# Altium PCB top_1.PcbDoc (part 2 of 5)
Units mil, origin at the board's own origin, x right, y up, seen from the top; angles counter-clockwise.
Board outline 12029.02 x 5828 mil, 2 copper layers (Top Layer, Bottom Layer); 775 components, 466 nets, 1984 pads, 387 vias.
Unrouted connection lines stored in the file: 279.
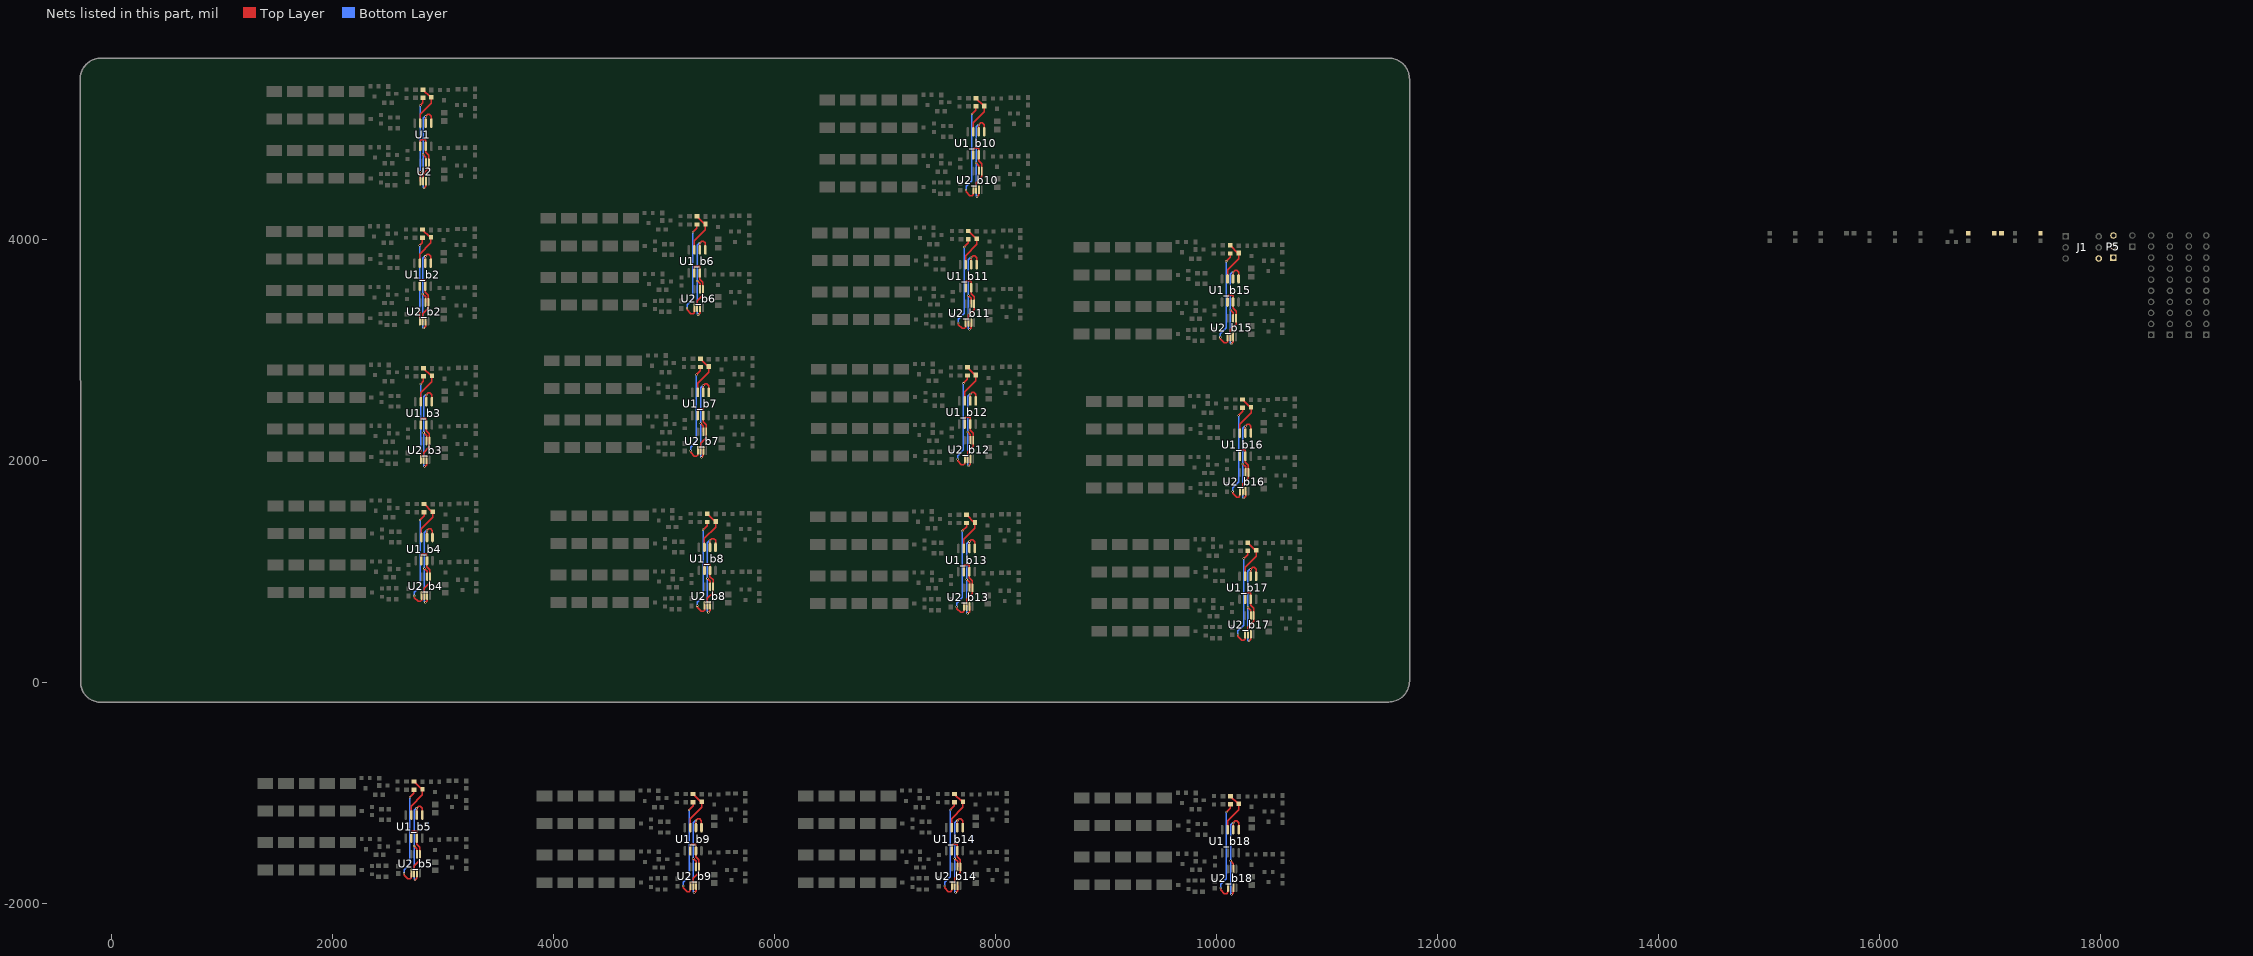
[diagram p2: the nets of this part, all layers, seen from the top]

## Components (designator, comment, footprint, x,y, rotation, side; value= is the part's Value field where it differs from the comment) (continued)
R19_b16 "Res1" 0603-1 9925,2000 r90 top (schematic designator R19)
R19_b17 "Res1" 0603-1 9972,705 r90 top (schematic designator R19)
R19_b18 "Res1" 0603-1 9815,-1589 r90 top (schematic designator R19)
R20 "Res1" 0603-1 3170,4836 r0 top
R20_b2 "Res1" 0603-1 3166,3570 r0 top (schematic designator R20)
R20_b3 "Res1" 0603-1 3175,2316 r0 top (schematic designator R20)
R20_b4 "Res1" 0603-1 3181,1087 r0 top (schematic designator R20)
R20_b5 "Res1" 0603-1 3089,-1424 r0 top (schematic designator R20)
R20_b6 "Res1" 0603-1 5650,3690 r0 top (schematic designator R20)
R20_b7 "Res1" 0603-1 5681,2400 r0 top (schematic designator R20)
R20_b8 "Res1" 0603-1 5742,998 r0 top (schematic designator R20)
R20_b9 "Res1" 0603-1 5615,-1538 r0 top (schematic designator R20)
R20_b10 "Res1" 0603-1 8174,4759 r0 top (schematic designator R20)
R20_b11 "Res1" 0603-1 8105,3557 r0 top (schematic designator R20)
R20_b12 "Res1" 0603-1 8097,2323 r0 top (schematic designator R20)
R20_b13 "Res1" 0603-1 8089,988 r0 top (schematic designator R20)
R20_b14 "Res1" 0603-1 7980,-1538 r0 top (schematic designator R20)
R20_b15 "Res1" 0603-1 10475,3427 r0 top (schematic designator R20)
R20_b16 "Res1" 0603-1 10587,2032 r0 top (schematic designator R20)
R20_b17 "Res1" 0603-1 10634,737 r0 top (schematic designator R20)
R20_b18 "Res1" 0603-1 10477,-1557 r0 top (schematic designator R20)
R21 "Res1" 0603-1 3292,4803 r90 top
R21_b2 "Res1" 0603-1 3288,3537 r90 top (schematic designator R21)
R21_b3 "Res1" 0603-1 3297,2283 r90 top (schematic designator R21)
R21_b4 "Res1" 0603-1 3303,1054 r90 top (schematic designator R21)
R21_b5 "Res1" 0603-1 3211,-1457 r90 top (schematic designator R21)
R21_b6 "Res1" 0603-1 5772,3657 r90 top (schematic designator R21)
R21_b7 "Res1" 0603-1 5803,2367 r90 top (schematic designator R21)
R21_b8 "Res1" 0603-1 5864,965 r90 top (schematic designator R21)
R21_b9 "Res1" 0603-1 5737,-1571 r90 top (schematic designator R21)
R21_b10 "Res1" 0603-1 8296,4726 r90 top (schematic designator R21)
R21_b11 "Res1" 0603-1 8227,3524 r90 top (schematic designator R21)
R21_b12 "Res1" 0603-1 8219,2290 r90 top (schematic designator R21)
R21_b13 "Res1" 0603-1 8211,955 r90 top (schematic designator R21)
R21_b14 "Res1" 0603-1 8102,-1571 r90 top (schematic designator R21)
R21_b15 "Res1" 0603-1 10597,3394 r90 top (schematic designator R21)
R21_b16 "Res1" 0603-1 10709,1999 r90 top (schematic designator R21)
R21_b17 "Res1" 0603-1 10756,704 r90 top (schematic designator R21)
R21_b18 "Res1" 0603-1 10599,-1590 r90 top (schematic designator R21)
R22 "Res1" 0603-1 2679,4560 r270 top
R22_b2 "Res1" 0603-1 2675,3294 r270 top (schematic designator R22)
R22_b3 "Res1" 0603-1 2684,2040 r270 top (schematic designator R22)
R22_b4 "Res1" 0603-1 2690,811 r270 top (schematic designator R22)
R22_b5 "Res1" 0603-1 2598,-1700 r270 top (schematic designator R22)
R22_b6 "Res1" 0603-1 5159,3414 r270 top (schematic designator R22)
R22_b7 "Res1" 0603-1 5190,2124 r270 top (schematic designator R22)
R22_b8 "Res1" 0603-1 5251,722 r270 top (schematic designator R22)
R22_b9 "Res1" 0603-1 5124,-1814 r270 top (schematic designator R22)
R22_b10 "Res1" 0603-1 7683,4483 r270 top (schematic designator R22)
R22_b11 "Res1" 0603-1 7614,3281 r270 top (schematic designator R22)
R22_b12 "Res1" 0603-1 7606,2047 r270 top (schematic designator R22)
R22_b13 "Res1" 0603-1 7598,712 r270 top (schematic designator R22)
R22_b14 "Res1" 0603-1 7489,-1814 r270 top (schematic designator R22)
R22_b15 "Res1" 0603-1 9984,3151 r270 top (schematic designator R22)
R22_b16 "Res1" 0603-1 10096,1756 r270 top (schematic designator R22)
R22_b17 "Res1" 0603-1 10143,461 r270 top (schematic designator R22)
R22_b18 "Res1" 0603-1 9986,-1833 r270 top (schematic designator R22)
R23 "Res1" 0603-1 2534,4597.46 r0 top
R23_b2 "Res1" 0603-1 2530,3331.46 r0 top (schematic designator R23)
R23_b3 "Res1" 0603-1 2539,2077.46 r0 top (schematic designator R23)
R23_b4 "Res1" 0603-1 2545,848.46 r0 top (schematic designator R23)
R23_b5 "Res1" 0603-1 2453,-1662.54 r0 top (schematic designator R23)
R23_b6 "Res1" 0603-1 5014,3451.46 r0 top (schematic designator R23)
R23_b7 "Res1" 0603-1 5045,2161.46 r0 top (schematic designator R23)
R23_b8 "Res1" 0603-1 5106,759.46 r0 top (schematic designator R23)
R23_b9 "Res1" 0603-1 4979,-1776.54 r0 top (schematic designator R23)
R23_b10 "Res1" 0603-1 7538,4520.46 r0 top (schematic designator R23)
R23_b11 "Res1" 0603-1 7469,3318.46 r0 top (schematic designator R23)
R23_b12 "Res1" 0603-1 7461,2084.46 r0 top (schematic designator R23)
R23_b13 "Res1" 0603-1 7453,749.46 r0 top (schematic designator R23)
R23_b14 "Res1" 0603-1 7344,-1776.54 r0 top (schematic designator R23)
R23_b15 "Res1" 0603-1 9839,3188.46 r0 top (schematic designator R23)
R23_b16 "Res1" 0603-1 9951,1793.46 r0 top (schematic designator R23)
R23_b17 "Res1" 0603-1 9998,498.46 r0 top (schematic designator R23)
R23_b18 "Res1" 0603-1 9841,-1795.54 r0 top (schematic designator R23)
R24 "Res1" 0603-1 3292,4606 r90 top
R24_b2 "Res1" 0603-1 3288,3340 r90 top (schematic designator R24)
R24_b3 "Res1" 0603-1 3297,2086 r90 top (schematic designator R24)
R24_b4 "Res1" 0603-1 3303,857 r90 top (schematic designator R24)
R24_b5 "Res1" 0603-1 3211,-1654 r90 top (schematic designator R24)
R24_b6 "Res1" 0603-1 5772,3460 r90 top (schematic designator R24)
R24_b7 "Res1" 0603-1 5803,2170 r90 top (schematic designator R24)
R24_b8 "Res1" 0603-1 5864,768 r90 top (schematic designator R24)
R24_b9 "Res1" 0603-1 5737,-1768 r90 top (schematic designator R24)
R24_b10 "Res1" 0603-1 8296,4529 r90 top (schematic designator R24)
R24_b11 "Res1" 0603-1 8227,3327 r90 top (schematic designator R24)
R24_b12 "Res1" 0603-1 8219,2093 r90 top (schematic designator R24)
R24_b13 "Res1" 0603-1 8211,758 r90 top (schematic designator R24)
R24_b14 "Res1" 0603-1 8102,-1768 r90 top (schematic designator R24)
R24_b15 "Res1" 0603-1 10597,3197 r90 top (schematic designator R24)
R24_b16 "Res1" 0603-1 10709,1802 r90 top (schematic designator R24)
R24_b17 "Res1" 0603-1 10756,507 r90 top (schematic designator R24)
R24_b18 "Res1" 0603-1 10599,-1787 r90 top (schematic designator R24)
R25 "Res1" 0603-1 17227,4026.46 r90 top
R26 "Res1" 0603-1 17458,4026.46 r90 top
R27 "Res1" 0603-1 16803,4026.46 r90 top
R28 "Res1" 0603-1 15009,4026.46 r90 top
R29 "Res1" 0603-1 15240,4026.46 r90 top
R30 "Res1" 0603-1 15470,4026.46 r90 top
R31 "Res1" 0603-1 15736,4061.46 r0 top
R32 "Res1" 0603-1 15911,4026.46 r90 top
R33 "Res1" 0603-1 16141,4026.46 r90 top
R34 "Res1" 0603-1 16372,4026.46 r90 top
R35 "Res1" 0603-1 2504,5240.46 r180 top
R35_b2 "Res1" 0603-1 2500,3974.46 r180 top (schematic designator R35)
R35_b3 "Res1" 0603-1 2509,2720.46 r180 top (schematic designator R35)
R35_b4 "Res1" 0603-1 2515,1491.46 r180 top (schematic designator R35)
R35_b5 "Res1" 0603-1 2423,-1019.54 r180 top (schematic designator R35)
R35_b6 "Res1" 0603-1 4984,4094.46 r180 top (schematic designator R35)
R35_b7 "Res1" 0603-1 5015,2804.46 r180 top (schematic designator R35)
R35_b8 "Res1" 0603-1 5076,1402.46 r180 top (schematic designator R35)
R35_b9 "Res1" 0603-1 4949,-1133.54 r180 top (schematic designator R35)
R35_b10 "Res1" 0603-1 7508,5163.46 r180 top (schematic designator R35)
R35_b11 "Res1" 0603-1 7439,3961.46 r180 top (schematic designator R35)
R35_b12 "Res1" 0603-1 7431,2727.46 r180 top (schematic designator R35)
R35_b13 "Res1" 0603-1 7423,1392.46 r180 top (schematic designator R35)
R35_b14 "Res1" 0603-1 7314,-1133.54 r180 top (schematic designator R35)
R35_b15 "Res1" 0603-1 9809,3831.46 r180 top (schematic designator R35)
R35_b16 "Res1" 0603-1 9921,2436.46 r180 top (schematic designator R35)
R35_b17 "Res1" 0603-1 9968,1141.46 r180 top (schematic designator R35)
R35_b18 "Res1" 0603-1 9811,-1152.54 r180 top (schematic designator R35)
R36 "Res1" 0603-1 2559,5012.46 r180 top
R36_b2 "Res1" 0603-1 2555,3746.46 r180 top (schematic designator R36)
R36_b3 "Res1" 0603-1 2564,2492.46 r180 top (schematic designator R36)
R36_b4 "Res1" 0603-1 2570,1263.46 r180 top (schematic designator R36)
R36_b5 "Res1" 0603-1 2478,-1247.54 r180 top (schematic designator R36)
R36_b6 "Res1" 0603-1 5039,3866.46 r180 top (schematic designator R36)
R36_b7 "Res1" 0603-1 5070,2576.46 r180 top (schematic designator R36)
R36_b8 "Res1" 0603-1 5131,1174.46 r180 top (schematic designator R36)
R36_b9 "Res1" 0603-1 5004,-1361.54 r180 top (schematic designator R36)
R36_b10 "Res1" 0603-1 7563,4935.46 r180 top (schematic designator R36)
R36_b11 "Res1" 0603-1 7494,3733.46 r180 top (schematic designator R36)
R36_b12 "Res1" 0603-1 7486,2499.46 r180 top (schematic designator R36)
R36_b13 "Res1" 0603-1 7478,1164.46 r180 top (schematic designator R36)
R36_b14 "Res1" 0603-1 7369,-1361.54 r180 top (schematic designator R36)
R36_b15 "Res1" 0603-1 9864,3603.46 r180 top (schematic designator R36)
R36_b16 "Res1" 0603-1 9976,2208.46 r180 top (schematic designator R36)
R36_b17 "Res1" 0603-1 10023,913.46 r180 top (schematic designator R36)
R36_b18 "Res1" 0603-1 9866,-1380.54 r180 top (schematic designator R36)
R37 "Res1" 0603-1 2509,4695.46 r180 top
R37_b2 "Res1" 0603-1 2505,3429.46 r180 top (schematic designator R37)
R37_b3 "Res1" 0603-1 2514,2175.46 r180 top (schematic designator R37)
R37_b4 "Res1" 0603-1 2520,946.46 r180 top (schematic designator R37)
R37_b5 "Res1" 0603-1 2428,-1564.54 r180 top (schematic designator R37)
R37_b6 "Res1" 0603-1 4989,3549.46 r180 top (schematic designator R37)
R37_b7 "Res1" 0603-1 5020,2259.46 r180 top (schematic designator R37)
R37_b8 "Res1" 0603-1 5081,857.46 r180 top (schematic designator R37)
R37_b9 "Res1" 0603-1 4954,-1678.54 r180 top (schematic designator R37)
R37_b10 "Res1" 0603-1 7513,4618.46 r180 top (schematic designator R37)
R37_b11 "Res1" 0603-1 7444,3416.46 r180 top (schematic designator R37)
R37_b12 "Res1" 0603-1 7436,2182.46 r180 top (schematic designator R37)
R37_b13 "Res1" 0603-1 7428,847.46 r180 top (schematic designator R37)
R37_b14 "Res1" 0603-1 7319,-1678.54 r180 top (schematic designator R37)
R37_b15 "Res1" 0603-1 9814,3286.46 r180 top (schematic designator R37)
R37_b16 "Res1" 0603-1 9926,1891.46 r180 top (schematic designator R37)
R37_b17 "Res1" 0603-1 9973,596.46 r180 top (schematic designator R37)
R37_b18 "Res1" 0603-1 9816,-1697.54 r180 top (schematic designator R37)
R38 "Res1" 0603-1 2534,4496.46 r180 top
R38_b2 "Res1" 0603-1 2530,3230.46 r180 top (schematic designator R38)
R38_b3 "Res1" 0603-1 2539,1976.46 r180 top (schematic designator R38)
R38_b4 "Res1" 0603-1 2545,747.46 r180 top (schematic designator R38)
R38_b5 "Res1" 0603-1 2453,-1763.54 r180 top (schematic designator R38)
R38_b6 "Res1" 0603-1 5014,3350.46 r180 top (schematic designator R38)
R38_b7 "Res1" 0603-1 5045,2060.46 r180 top (schematic designator R38)
R38_b8 "Res1" 0603-1 5106,658.46 r180 top (schematic designator R38)
R38_b9 "Res1" 0603-1 4979,-1877.54 r180 top (schematic designator R38)
R38_b10 "Res1" 0603-1 7538,4419.46 r180 top (schematic designator R38)
R38_b11 "Res1" 0603-1 7469,3217.46 r180 top (schematic designator R38)
R38_b12 "Res1" 0603-1 7461,1983.46 r180 top (schematic designator R38)
R38_b13 "Res1" 0603-1 7453,648.46 r180 top (schematic designator R38)
R38_b14 "Res1" 0603-1 7344,-1877.54 r180 top (schematic designator R38)
R38_b15 "Res1" 0603-1 9839,3087.46 r180 top (schematic designator R38)
R38_b16 "Res1" 0603-1 9951,1692.46 r180 top (schematic designator R38)
R38_b17 "Res1" 0603-1 9998,397.46 r180 top (schematic designator R38)
R38_b18 "Res1" 0603-1 9841,-1896.54 r180 top (schematic designator R38)
U1 "LM358" SOIC-8 2821,4952 r270 top
U1_b2 "LM358" SOIC-8 2817,3686 r270 top (schematic designator U1)
U1_b3 "LM358" SOIC-8 2826,2432 r270 top (schematic designator U1)
U1_b4 "LM358" SOIC-8 2832,1203 r270 top (schematic designator U1)
U1_b5 "LM358" SOIC-8 2740,-1308 r270 top (schematic designator U1)
U1_b6 "LM358" SOIC-8 5301,3806 r270 top (schematic designator U1)
U1_b7 "LM358" SOIC-8 5332,2516 r270 top (schematic designator U1)
U1_b8 "LM358" SOIC-8 5393,1114 r270 top (schematic designator U1)
U1_b9 "LM358" SOIC-8 5266,-1422 r270 top (schematic designator U1)
U1_b10 "LM358" SOIC-8 7825,4875 r270 top (schematic designator U1)
U1_b11 "LM358" SOIC-8 7756,3673 r270 top (schematic designator U1)
U1_b12 "LM358" SOIC-8 7748,2439 r270 top (schematic designator U1)
U1_b13 "LM358" SOIC-8 7740,1104 r270 top (schematic designator U1)
U1_b14 "LM358" SOIC-8 7631,-1422 r270 top (schematic designator U1)
U1_b15 "LM358" SOIC-8 10126,3543 r270 top (schematic designator U1)
U1_b16 "LM358" SOIC-8 10238,2148 r270 top (schematic designator U1)
U1_b17 "LM358" SOIC-8 10285,853 r270 top (schematic designator U1)
U1_b18 "LM358" SOIC-8 10128,-1441 r270 top (schematic designator U1)
U2 "INA2180" MSOP-8 2835,4616 r90 top
U2_b2 "INA2180" MSOP-8 2831,3350 r90 top (schematic designator U2)
U2_b3 "INA2180" MSOP-8 2840,2096 r90 top (schematic designator U2)
U2_b4 "INA2180" MSOP-8 2846,867 r90 top (schematic designator U2)
U2_b5 "INA2180" MSOP-8 2754,-1644 r90 top (schematic designator U2)
U2_b6 "INA2180" MSOP-8 5315,3470 r90 top (schematic designator U2)
U2_b7 "INA2180" MSOP-8 5346,2180 r90 top (schematic designator U2)
U2_b8 "INA2180" MSOP-8 5407,778 r90 top (schematic designator U2)
U2_b9 "INA2180" MSOP-8 5280,-1758 r90 top (schematic designator U2)
U2_b10 "INA2180" MSOP-8 7839,4539 r90 top (schematic designator U2)
U2_b11 "INA2180" MSOP-8 7770,3337 r90 top (schematic designator U2)
U2_b12 "INA2180" MSOP-8 7762,2103 r90 top (schematic designator U2)
U2_b13 "INA2180" MSOP-8 7754,768 r90 top (schematic designator U2)
U2_b14 "INA2180" MSOP-8 7645,-1758 r90 top (schematic designator U2)
U2_b15 "INA2180" MSOP-8 10140,3207 r90 top (schematic designator U2)
U2_b16 "INA2180" MSOP-8 10252,1812 r90 top (schematic designator U2)
U2_b17 "INA2180" MSOP-8 10299,517 r90 top (schematic designator U2)
U2_b18 "INA2180" MSOP-8 10142,-1777 r90 top (schematic designator U2)

## Footprints (in the part's own frame and the unit in brackets; to place one, negate y for a bottom-side part, rotate by r counter-clockwise, add the part's x,y. Pads: shape width x height; smd on the part's side, far side on the other; paste and mask are expansions set on the pad)
0603-1 [mm] "0603带丝印"
  rect 1.1x1 smd: 1(-0.85,0) 2(0.85,0)
  silkscreen extent -1.65,-0.76 1.65,0.76, body extent -0.8,-0.4 0.8,0.4, height 0.3
2512 [mm] "贴片元件"
  rect 2.5x3.6 smd: 1(-3.175,0) 2(3.175,0)
  silkscreen extent -4.7,-2.2 4.7,2.2, body extent -3.17,-1.65 3.17,1.65, height 1.2
C-0603 [mm] "贴片电容"
  rect 1.1x1 smd: 1(-0.85,0) 2(0.85,0)
  silkscreen extent -1.73,-0.76 1.73,0.76, body extent -0.8,-0.4 0.8,0.4, height 0.3
DIP-6 [mm]
  rect 1.5x1.5 hole 0.9: 1(-3.81,2.54)
  round 1.5 hole 0.9: 2(-3.81,0) 3(-3.81,-2.54) 4(3.81,-2.54) 5(3.81,0) 6(3.81,2.54)
  silkscreen extent -3.93,-3.94 2.65,3.96, body extent -3.6,-3.94 3.6,3.88, height 5.08
HDR2X1-2.54 [mm] "2.54单排针排座"
  rect 1.5x1.5 hole 0.9: 1(0,0)
  round 1.5 hole 0.9: 2(2.54,0)
  silkscreen extent -1.27,-1.27 3.81,1.27, body extent -1.27,-1.27 3.81,1.27, height 8.54
HDR3X1-2.54 [mm] "2.54单排针排座"
  rect 1.5x1.5 hole 0.9: 1(0,0)
  round 1.5 hole 0.9: 2(2.54,0) 3(5.08,0)
  silkscreen extent -1.27,-1.27 6.35,1.27, body extent -1.27,-1.27 6.35,1.27, height 8.54
HDR10X1-2.54 [mm]
  rect 1.5x1.5 hole 0.9: 1(-12.7,0)
  round 1.5 hole 0.9: 2(-10.16,0) 3(-7.62,0) 4(-5.08,0) 5(-2.54,0) 6(0,0) 7(2.54,0) 8(5.08,0) 9(7.62,0) 10(10.16,0)
  silkscreen extent -13.97,-1.27 11.43,1.27
LED-0805 [mm] "贴片LED"
  rect 1.3x1.5 smd: 1(-0.95,0) 2(0.95,0)
  silkscreen extent 1.91,-0.63 1.91,0.64
MSOP-8 [mm] "TSOP"
  oval 2x0.45 smd: 1(-2.15,0.975) 2(-2.15,0.325) 3(-2.15,-0.325) 4(-2.15,-0.975) 5(2.15,-0.975) 6(2.15,-0.325) 7(2.15,0.325) 8(2.15,0.975)
  silkscreen extent -2.27,-1.55 0.75,1.87, body extent -2.5,-1.5 2.5,1.5, height 0.85
SOIC-8 [mm]
  oval 2.2x0.6 smd: 1(-2.654,1.905) 2(-2.654,0.635) 3(-2.654,-0.635) 4(-2.654,-1.905) 5(2.654,-1.905) 6(2.654,-0.635) 7(2.654,0.635) 8(2.654,1.905)
  silkscreen extent -2.52,-2.5 0.9,2.88, body extent -3,-2.45 3,2.45, height 1.7
SOT23-3 [mm]
  rect 0.9x0.95 smd: 1(-0.95,-1.175) 2(0.95,-1.175) 3(0,1.175)
  silkscreen extent -2.03,-1.14 1.3,1.18, body extent -1.45,-1.4 1.45,1.4, height 1.2

## Part data
C1: "贴片瓷片电容"
D1 D1_b2 D1_b3 D1_b4 D1_b5 D1_b6 D1_b7 D1_b8 D1_b9 D1_b10 D1_b11 D1_b12 D1_b13 D1_b14 D1_b15 D1_b16 D1_b17 D1_b18 D2 D2_b2 D2_b3 D2_b4 D2_b5 D2_b6 D2_b7 D2_b8 D2_b9 D2_b10 D2_b11 D2_b12 D2_b13 D2_b14 D2_b15 D2_b16 D2_b17 D2_b18: library part Diode-R, "整流二极管"
J1: "固态继电器"
P1 P2 P3 P4 P5 P6: "接插件"
Q1 Q1_b2 Q1_b3 Q1_b4 Q1_b5 Q1_b6 Q1_b7 Q1_b8 Q1_b9 Q1_b10 Q1_b11 Q1_b12 Q1_b13 Q1_b14 Q1_b15 Q1_b16 Q1_b17 Q1_b18 Q2 Q2_b2 Q2_b3 Q2_b4 Q2_b5 Q2_b6 Q2_b7 Q2_b8 Q2_b9 Q2_b10 Q2_b11 Q2_b12 Q2_b13 Q2_b14 Q2_b15 Q2_b16 Q2_b17 Q2_b18 Q6 Q6_b2 Q6_b3 Q6_b4 Q6_b5 Q6_b6 Q6_b7 Q6_b8 Q6_b9 Q6_b10 Q6_b11 Q6_b12 Q6_b13 Q6_b14 Q6_b15 Q6_b16 Q6_b17 Q6_b18 Q7 Q7_b2 Q7_b3 Q7_b4 Q7_b5 Q7_b6 Q7_b7 Q7_b8 Q7_b9 Q7_b10 Q7_b11 Q7_b12 Q7_b13 Q7_b14 Q7_b15 Q7_b16 Q7_b17 Q7_b18: library part PNP1, "贴片三极管"
Q3 Q3_b2 Q3_b3 Q3_b4 Q3_b5 Q3_b6 Q3_b7 Q3_b8 Q3_b9 Q3_b10 Q3_b11 Q3_b12 Q3_b13 Q3_b14 Q3_b15 Q3_b16 Q3_b17 Q3_b18 Q8 Q8_b2 Q8_b3 Q8_b4 Q8_b5 Q8_b6 Q8_b7 Q8_b8 Q8_b9 Q8_b10 Q8_b11 Q8_b12 Q8_b13 Q8_b14 Q8_b15 Q8_b16 Q8_b17 Q8_b18 Q11: library part NPN1, "贴片三极管"
Q4 Q4_b2 Q4_b3 Q4_b4 Q4_b5 Q4_b6 Q4_b7 Q4_b8 Q4_b9 Q4_b10 Q4_b11 Q4_b12 Q4_b13 Q4_b14 Q4_b15 Q4_b16 Q4_b17 Q4_b18 Q9 Q9_b2 Q9_b3 Q9_b4 Q9_b5 Q9_b6 Q9_b7 Q9_b8 Q9_b9 Q9_b10 Q9_b11 Q9_b12 Q9_b13 Q9_b14 Q9_b15 Q9_b16 Q9_b17 Q9_b18: "可控精密稳压源"
Q5 Q5_b2 Q5_b3 Q5_b4 Q5_b5 Q5_b6 Q5_b7 Q5_b8 Q5_b9 Q5_b10 Q5_b11 Q5_b12 Q5_b13 Q5_b14 Q5_b15 Q5_b16 Q5_b17 Q5_b18 Q10 Q10_b2 Q10_b3 Q10_b4 Q10_b5 Q10_b6 Q10_b7 Q10_b8 Q10_b9 Q10_b10 Q10_b11 Q10_b12 Q10_b13 Q10_b14 Q10_b15 Q10_b16 Q10_b17 Q10_b18: library part MOSFET-N1, "MOSFET"
R1 R1_b2 R1_b3 R1_b4 R1_b5 R1_b6 R1_b7 R1_b8 R1_b9 R1_b10 R1_b11 R1_b12 R1_b13 R1_b14 R1_b15 R1_b16 R1_b17 R1_b18 R2 R2_b2 R2_b3 R2_b4 R2_b5 R2_b6 R2_b7 R2_b8 R2_b9 R2_b10 R2_b11 R2_b12 R2_b13 R2_b14 R2_b15 R2_b16 R2_b17 R2_b18 R3 R3_b2 R3_b3 R3_b4 R3_b5 R3_b6 R3_b7 R3_b8 R3_b9 R3_b10 R3_b11 R3_b12 R3_b13 R3_b14 R3_b15 R3_b16 R3_b17 R3_b18 R4 R4_b2 R4_b3 R4_b4 R4_b5 R4_b6 R4_b7 R4_b8 R4_b9 R4_b10 R4_b11 R4_b12 R4_b13 R4_b14 R4_b15 R4_b16 R4_b17 R4_b18 R5 R5_b2 R5_b3 R5_b4 R5_b5 R5_b6 R5_b7 R5_b8 R5_b9 R5_b10 R5_b11 R5_b12 R5_b13 R5_b14 R5_b15 R5_b16 R5_b17 R5_b18 R6 R6_b2 R6_b3 R6_b4 R6_b5 R6_b6 R6_b7 R6_b8 R6_b9 R6_b10 R6_b11 R6_b12 R6_b13 R6_b14 R6_b15 R6_b16 R6_b17 R6_b18 R7 R7_b2 R7_b3 R7_b4 R7_b5 R7_b6 R7_b7 R7_b8 R7_b9 R7_b10 R7_b11 R7_b12 R7_b13 R7_b14 R7_b15 R7_b16 R7_b17 R7_b18 R8 R8_b2 R8_b3 R8_b4 R8_b5 R8_b6 R8_b7 R8_b8 R8_b9 R8_b10 R8_b11 R8_b12 R8_b13 R8_b14 R8_b15 R8_b16 R8_b17 R8_b18 R9 R9_b2 R9_b3 R9_b4 R9_b5 R9_b6 R9_b7 R9_b8 R9_b9 R9_b10 R9_b11 R9_b12 R9_b13 R9_b14 R9_b15 R9_b16 R9_b17 R9_b18 R10 R10_b2 R10_b3 R10_b4 R10_b5 R10_b6 R10_b7 R10_b8 R10_b9 R10_b10 R10_b11 R10_b12 R10_b13 R10_b14 R10_b15 R10_b16 R10_b17 R10_b18 R11 R11_b2 R11_b3 R11_b4 R11_b5 R11_b6 R11_b7 R11_b8 R11_b9 R11_b10 R11_b11 R11_b12 R11_b13 R11_b14 R11_b15 R11_b16 R11_b17 R11_b18 R12 R12_b2 R12_b3 R12_b4 R12_b5 R12_b6 R12_b7 R12_b8 R12_b9 R12_b10 R12_b11 R12_b12 R12_b13 R12_b14 R12_b15 R12_b16 R12_b17 R12_b18 R13 R13_b2 R13_b3 R13_b4 R13_b5 R13_b6 R13_b7 R13_b8 R13_b9 R13_b10 R13_b11 R13_b12 R13_b13 R13_b14 R13_b15 R13_b16 R13_b17 R13_b18 R14 R14_b2 R14_b3 R14_b4 R14_b5 R14_b6 R14_b7 R14_b8 R14_b9 R14_b10 R14_b11 R14_b12 R14_b13 R14_b14 R14_b15 R14_b16 R14_b17 R14_b18 R15 R15_b2 R15_b3 R15_b4 R15_b5 R15_b6 R15_b7 R15_b8 R15_b9 R15_b10 R15_b11 R15_b12 R15_b13 R15_b14 R15_b15 R15_b16 R15_b17 R15_b18 R16 R16_b2 R16_b3 R16_b4 R16_b5 R16_b6 R16_b7 R16_b8 R16_b9 R16_b10 R16_b11 R16_b12 R16_b13 R16_b14 R16_b15 R16_b16 R16_b17 R16_b18 R17 R17_b2 R17_b3 R17_b4 R17_b5 R17_b6 R17_b7 R17_b8 R17_b9 R17_b10 R17_b11 R17_b12 R17_b13 R17_b14 R17_b15 R17_b16 R17_b17 R17_b18 R18 R18_b2 R18_b3 R18_b4 R18_b5 R18_b6 R18_b7 R18_b8 R18_b9 R18_b10 R18_b11 R18_b12 R18_b13 R18_b14 R18_b15 R18_b16 R18_b17 R18_b18 R19 R19_b2 R19_b3 R19_b4 R19_b5 R19_b6 R19_b7 R19_b8 R19_b9 R19_b10 R19_b11 R19_b12 R19_b13 R19_b14 R19_b15 R19_b16 R19_b17 R19_b18 R20 R20_b2 R20_b3 R20_b4 R20_b5 R20_b6 R20_b7 R20_b8 R20_b9 R20_b10 R20_b11 R20_b12 R20_b13 R20_b14 R20_b15 R20_b16 R20_b17 R20_b18 R21 R21_b2 R21_b3 R21_b4 R21_b5 R21_b6 R21_b7 R21_b8 R21_b9 R21_b10 R21_b11 R21_b12 R21_b13 R21_b14 R21_b15 R21_b16 R21_b17 R21_b18 R22 R22_b2 R22_b3 R22_b4 R22_b5 R22_b6 R22_b7 R22_b8 R22_b9 R22_b10 R22_b11 R22_b12 R22_b13 R22_b14 R22_b15 R22_b16 R22_b17 R22_b18 R23 R23_b2 R23_b3 R23_b4 R23_b5 R23_b6 R23_b7 R23_b8 R23_b9 R23_b10 R23_b11 R23_b12 R23_b13 R23_b14 R23_b15 R23_b16 R23_b17 R23_b18 R24 R24_b2 R24_b3 R24_b4 R24_b5 R24_b6 R24_b7 R24_b8 R24_b9 R24_b10 R24_b11 R24_b12 R24_b13 R24_b14 R24_b15 R24_b16 R24_b17 R24_b18 R25 R26 R27 R28 R29 R30 R31 R32 R33 R34 R35 R35_b2 R35_b3 R35_b4 R35_b5 R35_b6 R35_b7 R35_b8 R35_b9 R35_b10 R35_b11 R35_b12 R35_b13 R35_b14 R35_b15 R35_b16 R35_b17 R35_b18 R36 R36_b2 R36_b3 R36_b4 R36_b5 R36_b6 R36_b7 R36_b8 R36_b9 R36_b10 R36_b11 R36_b12 R36_b13 R36_b14 R36_b15 R36_b16 R36_b17 R36_b18 R37 R37_b2 R37_b3 R37_b4 R37_b5 R37_b6 R37_b7 R37_b8 R37_b9 R37_b10 R37_b11 R37_b12 R37_b13 R37_b14 R37_b15 R37_b16 R37_b17 R37_b18 R38 R38_b2 R38_b3 R38_b4 R38_b5 R38_b6 R38_b7 R38_b8 R38_b9 R38_b10 R38_b11 R38_b12 R38_b13 R38_b14 R38_b15 R38_b16 R38_b17 R38_b18: "贴片电阻"
U1 U1_b2 U1_b3 U1_b4 U1_b5 U1_b6 U1_b7 U1_b8 U1_b9 U1_b10 U1_b11 U1_b12 U1_b13 U1_b14 U1_b15 U1_b16 U1_b17 U1_b18: "双运放"
U2 U2_b2 U2_b3 U2_b4 U2_b5 U2_b6 U2_b7 U2_b8 U2_b9 U2_b10 U2_b11 U2_b12 U2_b13 U2_b14 U2_b15 U2_b16 U2_b17 U2_b18: library part LM358, "双运放"

## Via types
v1: diameter 20, hole 10, Top Layer to Bottom Layer, 346 vias
v2: diameter 40, hole 20, Top Layer to Bottom Layer, 39 vias
v3: diameter 125.98, hole 125.98, Top Layer to Bottom Layer, 2 vias

## Nets (pads, with @x,y where several pads share a name; then routed paths per layer and width w, separated by ;. In a path a pad name is that pad's centre, name@x,y a point inside that pad or via, vN(x,y) a via of type N, cw(c..) or ccw(c..) an arc to the next point about the centre after c; other vN are vias at no path point)
12V_GND: C1.2 J1.4 P5.2 R26.2
+12V: P5.1
ALARM: C1.1 P5.3 R27.2
G1_VC1_BUF: U1.1 U1.2 U2.3 U2.6 | length 1011.1
  Top Layer w12: v1(2822,4776) 2847.8,4750.2 U2.6@2847.8,4700.65 ; v1(2831,4469) 2847.8,4485.8 U2.3@2847.8,4531.35 U2.3@2848.53,4532.09 ; U1.2@2846,5056.49 v1(2846,5118) 2864,5136 2879,5136 2896,5119 U1.1@2896,5056.49
  Bottom Layer w12: v1(2831,4469) 2822,4478 v1(2822,4776) 2822,5100 2840,5118 v1(2846,5118)
G1_VC1_BUF_b2: U1_b2.1 U1_b2.2 U2_b2.3 U2_b2.6 | length 1011.1
  Top Layer w12: v1(2818,3510) 2843.8,3484.2 U2_b2.6@2843.8,3434.65 ; v1(2827,3203) 2843.8,3219.8 U2_b2.3@2843.8,3265.35 U2_b2.3@2844.53,3266.09 ; U1_b2.2@2842,3790.49 v1(2842,3852) 2860,3870 2875,3870 2892,3853 U1_b2.1@2892,3790.49
  Bottom Layer w12: v1(2827,3203) 2818,3212 v1(2818,3510) 2818,3834 2836,3852 v1(2842,3852)
G1_VC1_BUF_b3: U1_b3.1 U1_b3.2 U2_b3.3 U2_b3.6 | length 1011.1
  Top Layer w12: v1(2827,2256) 2852.8,2230.2 U2_b3.6@2852.8,2180.65 ; v1(2836,1949) 2852.8,1965.8 U2_b3.3@2852.8,2011.35 U2_b3.3@2853.53,2012.09 ; U1_b3.2@2851,2536.49 v1(2851,2598) 2869,2616 2884,2616 2901,2599 U1_b3.1@2901,2536.49
  Bottom Layer w12: v1(2836,1949) 2827,1958 v1(2827,2256) 2827,2580 2845,2598 v1(2851,2598)
G1_VC1_BUF_b4: U1_b4.1 U1_b4.2 U2_b4.3 U2_b4.6 | length 1011.1
  Top Layer w12: v1(2833,1027) 2858.8,1001.2 U2_b4.6@2858.8,951.65 ; v1(2842,720) 2858.8,736.8 U2_b4.3@2858.8,782.35 U2_b4.3@2859.53,783.09 ; U1_b4.2@2857,1307.49 v1(2857,1369) 2875,1387 2890,1387 2907,1370 U1_b4.1@2907,1307.49
  Bottom Layer w12: v1(2842,720) 2833,729 v1(2833,1027) 2833,1351 2851,1369 v1(2857,1369)
G1_VC1_BUF_b5: U1_b5.1 U1_b5.2 U2_b5.3 U2_b5.6 | length 1011.1
  Top Layer w12: v1(2741,-1484) 2766.8,-1509.8 U2_b5.6@2766.8,-1559.35 ; v1(2750,-1791) 2766.8,-1774.2 U2_b5.3@2766.8,-1728.65 U2_b5.3@2767.53,-1727.91 ; U1_b5.2@2765,-1203.51 v1(2765,-1142) 2783,-1124 2798,-1124 2815,-1141 U1_b5.1@2815,-1203.51
  Bottom Layer w12: v1(2750,-1791) 2741,-1782 v1(2741,-1484) 2741,-1160 2759,-1142 v1(2765,-1142)
G1_VC1_BUF_b6: U1_b6.1 U1_b6.2 U2_b6.3 U2_b6.6 | length 1011.1
  Top Layer w12: v1(5302,3630) 5327.8,3604.2 U2_b6.6@5327.8,3554.65 ; v1(5311,3323) 5327.8,3339.8 U2_b6.3@5327.8,3385.35 U2_b6.3@5328.53,3386.09 ; U1_b6.2@5326,3910.49 v1(5326,3972) 5344,3990 5359,3990 5376,3973 U1_b6.1@5376,3910.49
  Bottom Layer w12: v1(5311,3323) 5302,3332 v1(5302,3630) 5302,3954 5320,3972 v1(5326,3972)
G1_VC1_BUF_b7: U1_b7.1 U1_b7.2 U2_b7.3 U2_b7.6 | length 1011.1
  Top Layer w12: v1(5333,2340) 5358.8,2314.2 U2_b7.6@5358.8,2264.65 ; v1(5342,2033) 5358.8,2049.8 U2_b7.3@5358.8,2095.35 U2_b7.3@5359.53,2096.09 ; U1_b7.2@5357,2620.49 v1(5357,2682) 5375,2700 5390,2700 5407,2683 U1_b7.1@5407,2620.49
  Bottom Layer w12: v1(5342,2033) 5333,2042 v1(5333,2340) 5333,2664 5351,2682 v1(5357,2682)
G1_VC1_BUF_b8: U1_b8.1 U1_b8.2 U2_b8.3 U2_b8.6 | length 1011.1
  Top Layer w12: v1(5394,938) 5419.8,912.2 U2_b8.6@5419.8,862.65 ; v1(5403,631) 5419.8,647.8 U2_b8.3@5419.8,693.35 U2_b8.3@5420.53,694.09 ; U1_b8.2@5418,1218.49 v1(5418,1280) 5436,1298 5451,1298 5468,1281 U1_b8.1@5468,1218.49
  Bottom Layer w12: v1(5403,631) 5394,640 v1(5394,938) 5394,1262 5412,1280 v1(5418,1280)
G1_VC1_BUF_b9: U1_b9.1 U1_b9.2 U2_b9.3 U2_b9.6 | length 1011.1
  Top Layer w12: v1(5267,-1598) 5292.8,-1623.8 U2_b9.6@5292.8,-1673.35 ; v1(5276,-1905) 5292.8,-1888.2 U2_b9.3@5292.8,-1842.65 U2_b9.3@5293.53,-1841.91 ; U1_b9.2@5291,-1317.51 v1(5291,-1256) 5309,-1238 5324,-1238 5341,-1255 U1_b9.1@5341,-1317.51
  Bottom Layer w12: v1(5276,-1905) 5267,-1896 v1(5267,-1598) 5267,-1274 5285,-1256 v1(5291,-1256)
G1_VC1_BUF_b10: U1_b10.1 U1_b10.2 U2_b10.3 U2_b10.6 | length 1011.1
  Top Layer w12: v1(7826,4699) 7851.8,4673.2 U2_b10.6@7851.8,4623.65 ; v1(7835,4392) 7851.8,4408.8 U2_b10.3@7851.8,4454.35 U2_b10.3@7852.53,4455.09 ; U1_b10.2@7850,4979.49 v1(7850,5041) 7868,5059 7883,5059 7900,5042 U1_b10.1@7900,4979.49
  Bottom Layer w12: v1(7835,4392) 7826,4401 v1(7826,4699) 7826,5023 7844,5041 v1(7850,5041)
G1_VC1_BUF_b11: U1_b11.1 U1_b11.2 U2_b11.3 U2_b11.6 | length 1011.1
  Top Layer w12: v1(7757,3497) 7782.8,3471.2 U2_b11.6@7782.8,3421.65 ; v1(7766,3190) 7782.8,3206.8 U2_b11.3@7782.8,3252.35 U2_b11.3@7783.53,3253.09 ; U1_b11.2@7781,3777.49 v1(7781,3839) 7799,3857 7814,3857 7831,3840 U1_b11.1@7831,3777.49
  Bottom Layer w12: v1(7766,3190) 7757,3199 v1(7757,3497) 7757,3821 7775,3839 v1(7781,3839)
G1_VC1_BUF_b12: U1_b12.1 U1_b12.2 U2_b12.3 U2_b12.6 | length 1011.1
  Top Layer w12: v1(7749,2263) 7774.8,2237.2 U2_b12.6@7774.8,2187.65 ; v1(7758,1956) 7774.8,1972.8 U2_b12.3@7774.8,2018.35 U2_b12.3@7775.53,2019.09 ; U1_b12.2@7773,2543.49 v1(7773,2605) 7791,2623 7806,2623 7823,2606 U1_b12.1@7823,2543.49
  Bottom Layer w12: v1(7758,1956) 7749,1965 v1(7749,2263) 7749,2587 7767,2605 v1(7773,2605)
G1_VC1_BUF_b13: U1_b13.1 U1_b13.2 U2_b13.3 U2_b13.6 | length 1011.1
  Top Layer w12: v1(7741,928) 7766.8,902.2 U2_b13.6@7766.8,852.65 ; v1(7750,621) 7766.8,637.8 U2_b13.3@7766.8,683.35 U2_b13.3@7767.53,684.09 ; U1_b13.2@7765,1208.49 v1(7765,1270) 7783,1288 7798,1288 7815,1271 U1_b13.1@7815,1208.49
  Bottom Layer w12: v1(7750,621) 7741,630 v1(7741,928) 7741,1252 7759,1270 v1(7765,1270)
G1_VC1_BUF_b14: U1_b14.1 U1_b14.2 U2_b14.3 U2_b14.6 | length 1011.1
  Top Layer w12: v1(7632,-1598) 7657.8,-1623.8 U2_b14.6@7657.8,-1673.35 ; v1(7641,-1905) 7657.8,-1888.2 U2_b14.3@7657.8,-1842.65 U2_b14.3@7658.53,-1841.91 ; U1_b14.2@7656,-1317.51 v1(7656,-1256) 7674,-1238 7689,-1238 7706,-1255 U1_b14.1@7706,-1317.51
  Bottom Layer w12: v1(7641,-1905) 7632,-1896 v1(7632,-1598) 7632,-1274 7650,-1256 v1(7656,-1256)
G1_VC1_BUF_b15: U1_b15.1 U1_b15.2 U2_b15.3 U2_b15.6 | length 1011.1
  Top Layer w12: v1(10127,3367) 10152.8,3341.2 U2_b15.6@10152.8,3291.65 ; v1(10136,3060) 10152.8,3076.8 U2_b15.3@10152.8,3122.35 U2_b15.3@10153.53,3123.09 ; U1_b15.2@10151,3647.49 v1(10151,3709) 10169,3727 10184,3727 10201,3710 U1_b15.1@10201,3647.49
  Bottom Layer w12: v1(10136,3060) 10127,3069 v1(10127,3367) 10127,3691 10145,3709 v1(10151,3709)
G1_VC1_BUF_b16: U1_b16.1 U1_b16.2 U2_b16.3 U2_b16.6 | length 1011.1
  Top Layer w12: v1(10239,1972) 10264.8,1946.2 U2_b16.6@10264.8,1896.65 ; v1(10248,1665) 10264.8,1681.8 U2_b16.3@10264.8,1727.35 U2_b16.3@10265.53,1728.09 ; U1_b16.2@10263,2252.49 v1(10263,2314) 10281,2332 10296,2332 10313,2315 U1_b16.1@10313,2252.49
  Bottom Layer w12: v1(10248,1665) 10239,1674 v1(10239,1972) 10239,2296 10257,2314 v1(10263,2314)
G1_VC1_BUF_b17: U1_b17.1 U1_b17.2 U2_b17.3 U2_b17.6 | length 1011.1
  Top Layer w12: v1(10286,677) 10311.8,651.2 U2_b17.6@10311.8,601.65 ; v1(10295,370) 10311.8,386.8 U2_b17.3@10311.8,432.35 U2_b17.3@10312.53,433.09 ; U1_b17.2@10310,957.49 v1(10310,1019) 10328,1037 10343,1037 10360,1020 U1_b17.1@10360,957.49
  Bottom Layer w12: v1(10295,370) 10286,379 v1(10286,677) 10286,1001 10304,1019 v1(10310,1019)
G1_VC1_BUF_b18: U1_b18.1 U1_b18.2 U2_b18.3 U2_b18.6 | length 1011.1
  Top Layer w12: v1(10129,-1617) 10154.8,-1642.8 U2_b18.6@10154.8,-1692.35 ; v1(10138,-1924) 10154.8,-1907.2 U2_b18.3@10154.8,-1861.65 U2_b18.3@10155.53,-1860.91 ; U1_b18.2@10153,-1336.51 v1(10153,-1275) 10171,-1257 10186,-1257 10203,-1274 U1_b18.1@10203,-1336.51
  Bottom Layer w12: v1(10138,-1924) 10129,-1915 v1(10129,-1617) 10129,-1293 10147,-1275 v1(10153,-1275)
G1_VC1_DISCH: R10.2 U2.1 | length 765.4
  Top Layer w12: v1(2796,4620) 2796,4531.97 U2.1@2796.61,4531.35 ; v1(2796,5216) 2820.33,5240.33 R10.2@2820.33,5286.4
  Bottom Layer w12: v1(2796,4620) v1(2796,5216)
G1_VC1_DISCH_b2: R10_b2.2 U2_b2.1 | length 765.4
  Top Layer w12: v1(2792,3354) 2792,3265.97 U2_b2.1@2792.61,3265.35 ; v1(2792,3950) 2816.33,3974.33 R10_b2.2@2816.33,4020.4
  Bottom Layer w12: v1(2792,3354) v1(2792,3950)
G1_VC1_DISCH_b3: R10_b3.2 U2_b3.1 | length 765.4
  Top Layer w12: v1(2801,2100) 2801,2011.97 U2_b3.1@2801.61,2011.35 ; v1(2801,2696) 2825.33,2720.33 R10_b3.2@2825.33,2766.4
  Bottom Layer w12: v1(2801,2100) v1(2801,2696)
G1_VC1_DISCH_b4: R10_b4.2 U2_b4.1 | length 937.1
  Top Layer w12: v1(2742,780) 2742,764 2777,729 2796,729 2807.61,740.61 U2_b4.1@2807.61,782.35 ; v1(2795,1467) 2831.33,1503.33 R10_b4.2@2831.33,1537.4
  Bottom Layer w12: v1(2742,780) 2742,812 2795,865 v1(2795,1467)
G1_VC1_DISCH_b5: R10_b5.2 U2_b5.1 | length 937.1
  Top Layer w12: v1(2650,-1731) 2650,-1747 2685,-1782 2704,-1782 2715.61,-1770.39 U2_b5.1@2715.61,-1728.65 ; v1(2703,-1044) 2739.33,-1007.67 R10_b5.2@2739.33,-973.6
  Bottom Layer w12: v1(2650,-1731) 2650,-1699 2703,-1646 v1(2703,-1044)
G1_VC1_DISCH_b6: R10_b6.2 U2_b6.1 | length 937.1
  Top Layer w12: v1(5211,3383) 5211,3367 5246,3332 5265,3332 5276.61,3343.61 U2_b6.1@5276.61,3385.35 ; v1(5264,4070) 5300.33,4106.33 R10_b6.2@5300.33,4140.4
  Bottom Layer w12: v1(5211,3383) 5211,3415 5264,3468 v1(5264,4070)
G1_VC1_DISCH_b7: R10_b7.2 U2_b7.1 | length 937.1
  Top Layer w12: v1(5242,2093) 5242,2077 5277,2042 5296,2042 5307.61,2053.61 U2_b7.1@5307.61,2095.35 ; v1(5295,2780) 5331.33,2816.33 R10_b7.2@5331.33,2850.4
  Bottom Layer w12: v1(5242,2093) 5242,2125 5295,2178 v1(5295,2780)
G1_VC1_DISCH_b8: R10_b8.2 U2_b8.1 | length 937.1
  Top Layer w12: v1(5303,691) 5303,675 5338,640 5357,640 5368.61,651.61 U2_b8.1@5368.61,693.35 ; v1(5356,1378) 5392.33,1414.33 R10_b8.2@5392.33,1448.4
  Bottom Layer w12: v1(5303,691) 5303,723 5356,776 v1(5356,1378)
G1_VC1_DISCH_b9: R10_b9.2 U2_b9.1 | length 937.1
  Top Layer w12: v1(5176,-1845) 5176,-1861 5211,-1896 5230,-1896 5241.61,-1884.39 U2_b9.1@5241.61,-1842.65 ; v1(5229,-1158) 5265.33,-1121.67 R10_b9.2@5265.33,-1087.6
  Bottom Layer w12: v1(5176,-1845) 5176,-1813 5229,-1760 v1(5229,-1158)
G1_VC1_DISCH_b10: R10_b10.2 U2_b10.1 | length 937.1
  Top Layer w12: v1(7735,4452) 7735,4436 7770,4401 7789,4401 7800.61,4412.61 U2_b10.1@7800.61,4454.35 ; v1(7788,5139) 7824.33,5175.33 R10_b10.2@7824.33,5209.4
  Bottom Layer w12: v1(7735,4452) 7735,4484 7788,4537 v1(7788,5139)
G1_VC1_DISCH_b11: R10_b11.2 U2_b11.1 | length 937.1
  Top Layer w12: v1(7666,3250) 7666,3234 7701,3199 7720,3199 7731.61,3210.61 U2_b11.1@7731.61,3252.35 ; v1(7719,3937) 7755.33,3973.33 R10_b11.2@7755.33,4007.4
  Bottom Layer w12: v1(7666,3250) 7666,3282 7719,3335 v1(7719,3937)
G1_VC1_DISCH_b12: R10_b12.2 U2_b12.1 | length 937.1
  Top Layer w12: v1(7658,2016) 7658,2000 7693,1965 7712,1965 7723.61,1976.61 U2_b12.1@7723.61,2018.35 ; v1(7711,2703) 7747.33,2739.33 R10_b12.2@7747.33,2773.4
  Bottom Layer w12: v1(7658,2016) 7658,2048 7711,2101 v1(7711,2703)
G1_VC1_DISCH_b13: R10_b13.2 U2_b13.1 | length 937.1
  Top Layer w12: v1(7650,681) 7650,665 7685,630 7704,630 7715.61,641.61 U2_b13.1@7715.61,683.35 ; v1(7703,1368) 7739.33,1404.33 R10_b13.2@7739.33,1438.4
  Bottom Layer w12: v1(7650,681) 7650,713 7703,766 v1(7703,1368)
G1_VC1_DISCH_b14: R10_b14.2 U2_b14.1 | length 937.1
  Top Layer w12: v1(7541,-1845) 7541,-1861 7576,-1896 7595,-1896 7606.61,-1884.39 U2_b14.1@7606.61,-1842.65 ; v1(7594,-1158) 7630.33,-1121.67 R10_b14.2@7630.33,-1087.6
  Bottom Layer w12: v1(7541,-1845) 7541,-1813 7594,-1760 v1(7594,-1158)
G1_VC1_DISCH_b15: R10_b15.2 U2_b15.1 | length 937.1
  Top Layer w12: v1(10036,3120) 10036,3104 10071,3069 10090,3069 10101.61,3080.61 U2_b15.1@10101.61,3122.35 ; v1(10089,3807) 10125.33,3843.33 R10_b15.2@10125.33,3877.4
  Bottom Layer w12: v1(10036,3120) 10036,3152 10089,3205 v1(10089,3807)
G1_VC1_DISCH_b16: R10_b16.2 U2_b16.1 | length 937.1
  Top Layer w12: v1(10148,1725) 10148,1709 10183,1674 10202,1674 10213.61,1685.61 U2_b16.1@10213.61,1727.35 ; v1(10201,2412) 10237.33,2448.33 R10_b16.2@10237.33,2482.4
  Bottom Layer w12: v1(10148,1725) 10148,1757 10201,1810 v1(10201,2412)
G1_VC1_DISCH_b17: R10_b17.2 U2_b17.1 | length 937.1
  Top Layer w12: v1(10195,430) 10195,414 10230,379 10249,379 10260.61,390.61 U2_b17.1@10260.61,432.35 ; v1(10248,1117) 10284.33,1153.33 R10_b17.2@10284.33,1187.4
  Bottom Layer w12: v1(10195,430) 10195,462 10248,515 v1(10248,1117)
G1_VC1_DISCH_b18: R10_b18.2 U2_b18.1 | length 937.1
  Top Layer w12: v1(10038,-1864) 10038,-1880 10073,-1915 10092,-1915 10103.61,-1903.39 U2_b18.1@10103.61,-1861.65 ; v1(10091,-1177) 10127.33,-1140.67 R10_b18.2@10127.33,-1106.6
  Bottom Layer w12: v1(10038,-1864) 10038,-1832 10091,-1779 v1(10091,-1177)
G1_VC1_VOL: R9.1 R12.2 U1.3 | length 381.5
  Top Layer w12: U1.3@2796,5056.49 2796,5138 2897,5239 R9.1@2897,5290.54 2890.2,5290.54 R12.2@2820.33,5360.4
G1_VC1_VOL_b2: R9_b2.1 R12_b2.2 U1_b2.3 | length 381.5
  Top Layer w12: U1_b2.3@2792,3790.49 2792,3872 2893,3973 R9_b2.1@2893,4024.54 2886.2,4024.54 R12_b2.2@2816.33,4094.4
G1_VC1_VOL_b3: R9_b3.1 R12_b3.2 U1_b3.3 | length 381.5
  Top Layer w12: U1_b3.3@2801,2536.49 2801,2618 2902,2719 R9_b3.1@2902,2770.54 2895.2,2770.54 R12_b3.2@2825.33,2840.4
G1_VC1_VOL_b4: R9_b4.1 R12_b4.2 U1_b4.3 | length 381.5
  Top Layer w12: U1_b4.3@2807,1307.49 2807,1389 2908,1490 R9_b4.1@2908,1541.54 2901.2,1541.54 R12_b4.2@2831.33,1611.4
G1_VC1_VOL_b5: R9_b5.1 R12_b5.2 U1_b5.3 | length 381.5
  Top Layer w12: U1_b5.3@2715,-1203.51 2715,-1122 2816,-1021 R9_b5.1@2816,-969.46 2809.2,-969.46 R12_b5.2@2739.33,-899.6
G1_VC1_VOL_b6: R9_b6.1 R12_b6.2 U1_b6.3 | length 381.5
  Top Layer w12: U1_b6.3@5276,3910.49 5276,3992 5377,4093 R9_b6.1@5377,4144.54 5370.2,4144.54 R12_b6.2@5300.33,4214.4
G1_VC1_VOL_b7: R9_b7.1 R12_b7.2 U1_b7.3 | length 381.5
  Top Layer w12: U1_b7.3@5307,2620.49 5307,2702 5408,2803 R9_b7.1@5408,2854.54 5401.2,2854.54 R12_b7.2@5331.33,2924.4
G1_VC1_VOL_b8: R9_b8.1 R12_b8.2 U1_b8.3 | length 381.5
  Top Layer w12: U1_b8.3@5368,1218.49 5368,1300 5469,1401 R9_b8.1@5469,1452.54 5462.2,1452.54 R12_b8.2@5392.33,1522.4
G1_VC1_VOL_b9: R9_b9.1 R12_b9.2 U1_b9.3 | length 381.5
  Top Layer w12: U1_b9.3@5241,-1317.51 5241,-1236 5342,-1135 R9_b9.1@5342,-1083.46 5335.2,-1083.46 R12_b9.2@5265.33,-1013.6
G1_VC1_VOL_b10: R9_b10.1 R12_b10.2 U1_b10.3 | length 381.5
  Top Layer w12: U1_b10.3@7800,4979.49 7800,5061 7901,5162 R9_b10.1@7901,5213.54 7894.2,5213.54 R12_b10.2@7824.33,5283.4
G1_VC1_VOL_b11: R9_b11.1 R12_b11.2 U1_b11.3 | length 381.5
  Top Layer w12: U1_b11.3@7731,3777.49 7731,3859 7832,3960 R9_b11.1@7832,4011.54 7825.2,4011.54 R12_b11.2@7755.33,4081.4
G1_VC1_VOL_b12: R9_b12.1 R12_b12.2 U1_b12.3 | length 381.5
  Top Layer w12: U1_b12.3@7723,2543.49 7723,2625 7824,2726 R9_b12.1@7824,2777.54 7817.2,2777.54 R12_b12.2@7747.33,2847.4
G1_VC1_VOL_b13: R9_b13.1 R12_b13.2 U1_b13.3 | length 381.5
  Top Layer w12: U1_b13.3@7715,1208.49 7715,1290 7816,1391 R9_b13.1@7816,1442.54 7809.2,1442.54 R12_b13.2@7739.33,1512.4
G1_VC1_VOL_b14: R9_b14.1 R12_b14.2 U1_b14.3 | length 381.5
  Top Layer w12: U1_b14.3@7606,-1317.51 7606,-1236 7707,-1135 R9_b14.1@7707,-1083.46 7700.2,-1083.46 R12_b14.2@7630.33,-1013.6
G1_VC1_VOL_b15: R9_b15.1 R12_b15.2 U1_b15.3 | length 381.5
  Top Layer w12: U1_b15.3@10101,3647.49 10101,3729 10202,3830 R9_b15.1@10202,3881.54 10195.2,3881.54 R12_b15.2@10125.33,3951.4
G1_VC1_VOL_b16: R9_b16.1 R12_b16.2 U1_b16.3 | length 381.5
  Top Layer w12: U1_b16.3@10213,2252.49 10213,2334 10314,2435 R9_b16.1@10314,2486.54 10307.2,2486.54 R12_b16.2@10237.33,2556.4
G1_VC1_VOL_b17: R9_b17.1 R12_b17.2 U1_b17.3 | length 381.5
  Top Layer w12: U1_b17.3@10260,957.49 10260,1039 10361,1140 R9_b17.1@10361,1191.54 10354.2,1191.54 R12_b17.2@10284.33,1261.4
G1_VC1_VOL_b18: R9_b18.1 R12_b18.2 U1_b18.3 | length 381.5
  Top Layer w12: U1_b18.3@10103,-1336.51 10103,-1255 10204,-1154 R9_b18.1@10204,-1102.46 10197.2,-1102.46 R12_b18.2@10127.33,-1032.6
G1_VC2_BUF: U1.6 U1.7 U2.2 U2.5 | length 512.1
  Top Layer w12: U1.6@2796,4847.51 2796,4900 2804,4908 2841,4908 2846,4903 U1.7@2846,4847.51 2846,4792 2873.39,4764.61 U2.5@2873.39,4700.65 2873.39,4647.39 2822.2,4596.2 U2.2@2822.2,4531.35
G1_VC2_BUF_b2: U1_b2.6 U1_b2.7 U2_b2.2 U2_b2.5 | length 512.1
  Top Layer w12: U1_b2.6@2792,3581.51 2792,3634 2800,3642 2837,3642 2842,3637 U1_b2.7@2842,3581.51 2842,3526 2869.39,3498.61 U2_b2.5@2869.39,3434.65 2869.39,3381.39 2818.2,3330.2 U2_b2.2@2818.2,3265.35
G1_VC2_BUF_b3: U1_b3.6 U1_b3.7 U2_b3.2 U2_b3.5 | length 512.1
  Top Layer w12: U1_b3.6@2801,2327.51 2801,2380 2809,2388 2846,2388 2851,2383 U1_b3.7@2851,2327.51 2851,2272 2878.39,2244.61 U2_b3.5@2878.39,2180.65 2878.39,2127.39 2827.2,2076.2 U2_b3.2@2827.2,2011.35
G1_VC2_BUF_b4: U1_b4.6 U1_b4.7 U2_b4.2 U2_b4.5 | length 512.1
  Top Layer w12: U1_b4.6@2807,1098.51 2807,1151 2815,1159 2852,1159 2857,1154 U1_b4.7@2857,1098.51 2857,1043 2884.39,1015.61 U2_b4.5@2884.39,951.65 2884.39,898.39 2833.2,847.2 U2_b4.2@2833.2,782.35
G1_VC2_BUF_b5: U1_b5.6 U1_b5.7 U2_b5.2 U2_b5.5 | length 512.1
  Top Layer w12: U1_b5.6@2715,-1412.49 2715,-1360 2723,-1352 2760,-1352 2765,-1357 U1_b5.7@2765,-1412.49 2765,-1468 2792.39,-1495.39 U2_b5.5@2792.39,-1559.35 2792.39,-1612.61 2741.2,-1663.8 U2_b5.2@2741.2,-1728.65
G1_VC2_BUF_b6: U1_b6.6 U1_b6.7 U2_b6.2 U2_b6.5 | length 512.1
  Top Layer w12: U1_b6.6@5276,3701.51 5276,3754 5284,3762 5321,3762 5326,3757 U1_b6.7@5326,3701.51 5326,3646 5353.39,3618.61 U2_b6.5@5353.39,3554.65 5353.39,3501.39 5302.2,3450.2 U2_b6.2@5302.2,3385.35
G1_VC2_BUF_b7: U1_b7.6 U1_b7.7 U2_b7.2 U2_b7.5 | length 512.1
  Top Layer w12: U1_b7.6@5307,2411.51 5307,2464 5315,2472 5352,2472 5357,2467 U1_b7.7@5357,2411.51 5357,2356 5384.39,2328.61 U2_b7.5@5384.39,2264.65 5384.39,2211.39 5333.2,2160.2 U2_b7.2@5333.2,2095.35
G1_VC2_BUF_b8: U1_b8.6 U1_b8.7 U2_b8.2 U2_b8.5 | length 512.1
  Top Layer w12: U1_b8.6@5368,1009.51 5368,1062 5376,1070 5413,1070 5418,1065 U1_b8.7@5418,1009.51 5418,954 5445.39,926.61 U2_b8.5@5445.39,862.65 5445.39,809.39 5394.2,758.2 U2_b8.2@5394.2,693.35
G1_VC2_BUF_b9: U1_b9.6 U1_b9.7 U2_b9.2 U2_b9.5 | length 512.1
  Top Layer w12: U1_b9.6@5241,-1526.49 5241,-1474 5249,-1466 5286,-1466 5291,-1471 U1_b9.7@5291,-1526.49 5291,-1582 5318.39,-1609.39 U2_b9.5@5318.39,-1673.35 5318.39,-1726.61 5267.2,-1777.8 U2_b9.2@5267.2,-1842.65
G1_VC2_BUF_b10: U1_b10.6 U1_b10.7 U2_b10.2 U2_b10.5 | length 512.1
  Top Layer w12: U1_b10.6@7800,4770.51 7800,4823 7808,4831 7845,4831 7850,4826 U1_b10.7@7850,4770.51 7850,4715 7877.39,4687.61 U2_b10.5@7877.39,4623.65 7877.39,4570.39 7826.2,4519.2 U2_b10.2@7826.2,4454.35
G1_VC2_BUF_b11: U1_b11.6 U1_b11.7 U2_b11.2 U2_b11.5 | length 512.1
  Top Layer w12: U1_b11.6@7731,3568.51 7731,3621 7739,3629 7776,3629 7781,3624 U1_b11.7@7781,3568.51 7781,3513 7808.39,3485.61 U2_b11.5@7808.39,3421.65 7808.39,3368.39 7757.2,3317.2 U2_b11.2@7757.2,3252.35
G1_VC2_BUF_b12: U1_b12.6 U1_b12.7 U2_b12.2 U2_b12.5 | length 512.1
  Top Layer w12: U1_b12.6@7723,2334.51 7723,2387 7731,2395 7768,2395 7773,2390 U1_b12.7@7773,2334.51 7773,2279 7800.39,2251.61 U2_b12.5@7800.39,2187.65 7800.39,2134.39 7749.2,2083.2 U2_b12.2@7749.2,2018.35
G1_VC2_BUF_b13: U1_b13.6 U1_b13.7 U2_b13.2 U2_b13.5 | length 512.1
  Top Layer w12: U1_b13.6@7715,999.51 7715,1052 7723,1060 7760,1060 7765,1055 U1_b13.7@7765,999.51 7765,944 7792.39,916.61 U2_b13.5@7792.39,852.65 7792.39,799.39 7741.2,748.2 U2_b13.2@7741.2,683.35
G1_VC2_BUF_b14: U1_b14.6 U1_b14.7 U2_b14.2 U2_b14.5 | length 512.1
  Top Layer w12: U1_b14.6@7606,-1526.49 7606,-1474 7614,-1466 7651,-1466 7656,-1471 U1_b14.7@7656,-1526.49 7656,-1582 7683.39,-1609.39 U2_b14.5@7683.39,-1673.35 7683.39,-1726.61 7632.2,-1777.8 U2_b14.2@7632.2,-1842.65
G1_VC2_BUF_b15: U1_b15.6 U1_b15.7 U2_b15.2 U2_b15.5 | length 512.1
  Top Layer w12: U1_b15.6@10101,3438.51 10101,3491 10109,3499 10146,3499 10151,3494 U1_b15.7@10151,3438.51 10151,3383 10178.39,3355.61 U2_b15.5@10178.39,3291.65 10178.39,3238.39 10127.2,3187.2 U2_b15.2@10127.2,3122.35
G1_VC2_BUF_b16: U1_b16.6 U1_b16.7 U2_b16.2 U2_b16.5 | length 512.1
  Top Layer w12: U1_b16.6@10213,2043.51 10213,2096 10221,2104 10258,2104 10263,2099 U1_b16.7@10263,2043.51 10263,1988 10290.39,1960.61 U2_b16.5@10290.39,1896.65 10290.39,1843.39 10239.2,1792.2 U2_b16.2@10239.2,1727.35
G1_VC2_BUF_b17: U1_b17.6 U1_b17.7 U2_b17.2 U2_b17.5 | length 512.1
  Top Layer w12: U1_b17.6@10260,748.51 10260,801 10268,809 10305,809 10310,804 U1_b17.7@10310,748.51 10310,693 10337.39,665.61 U2_b17.5@10337.39,601.65 10337.39,548.39 10286.2,497.2 U2_b17.2@10286.2,432.35